# Altium PCB BSU.PcbDoc (part 2 of 3) (continued)
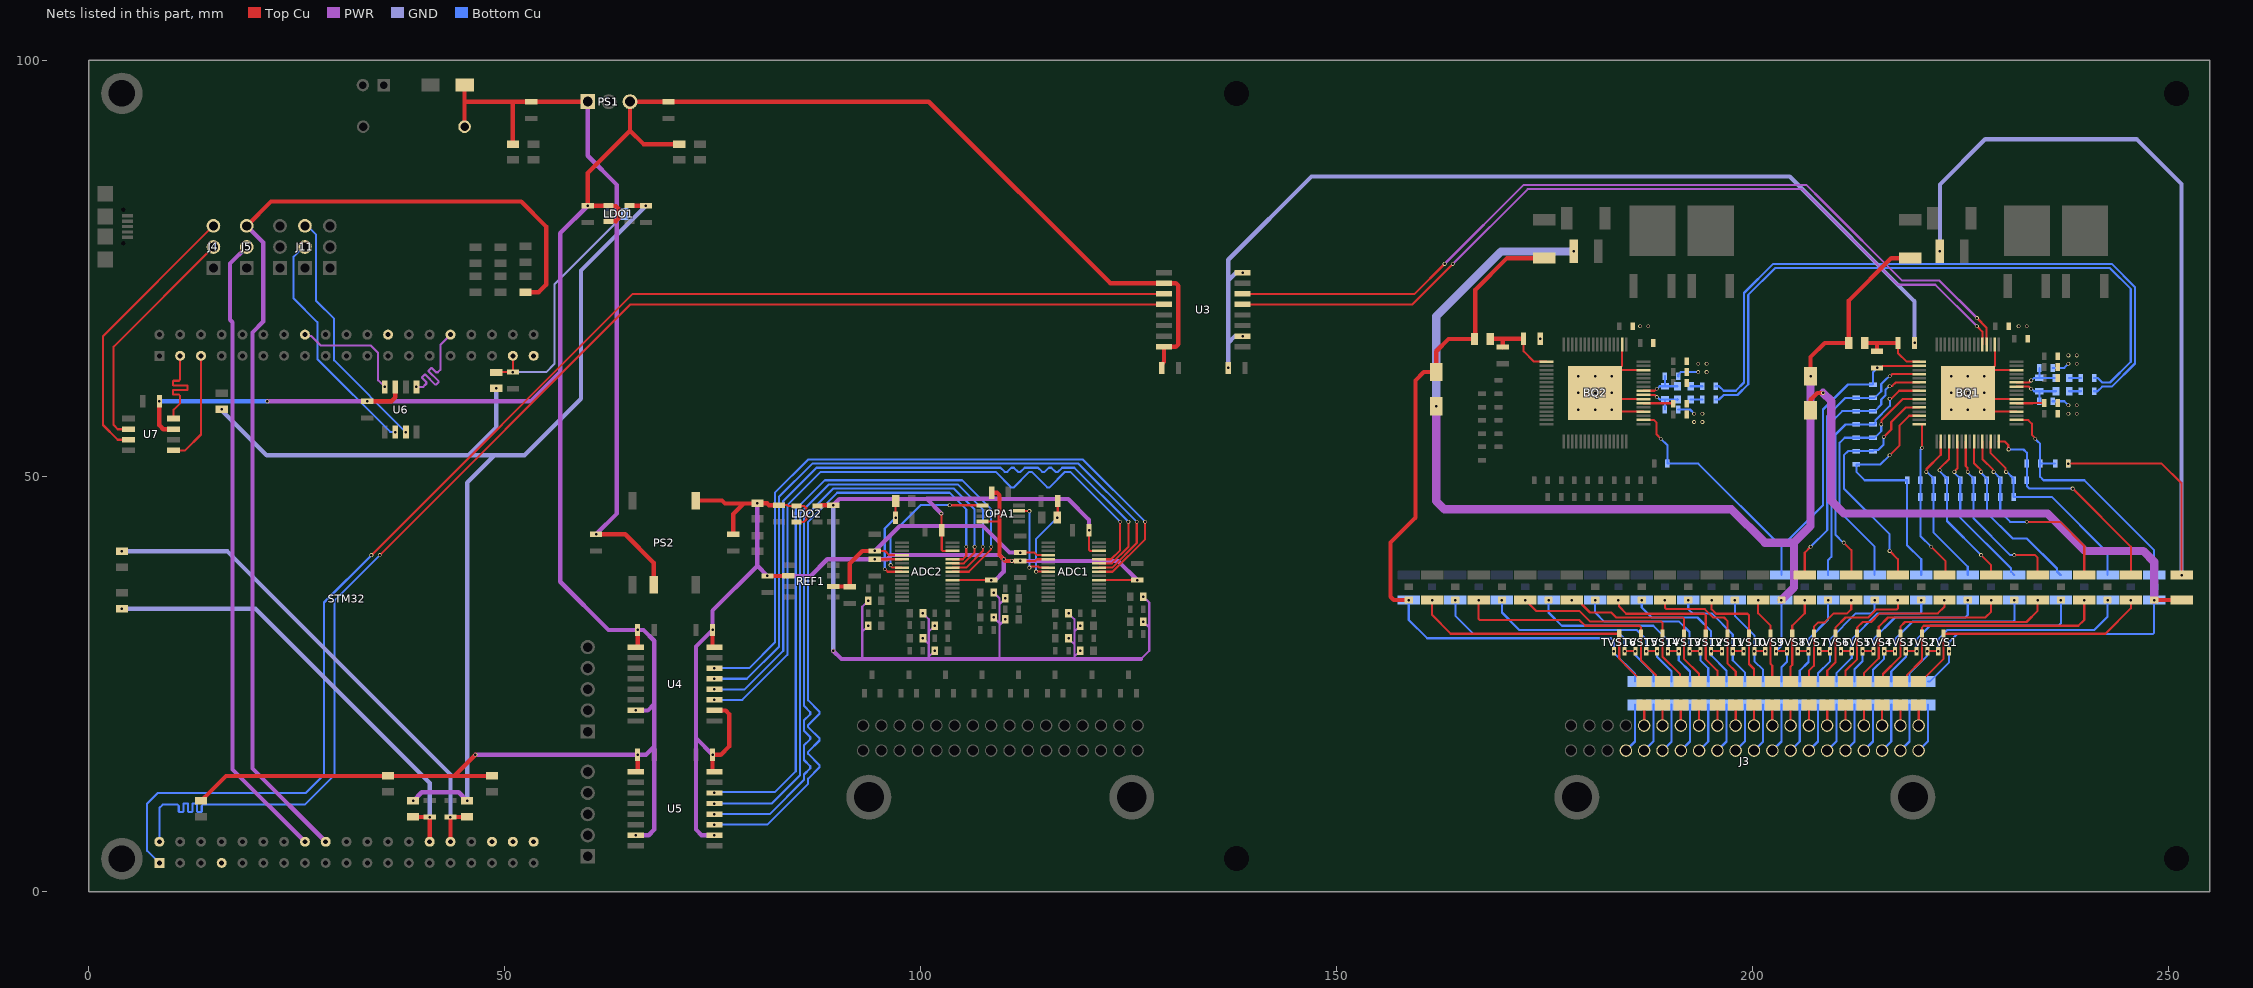
[diagram p4: the nets of this part, all layers, seen from the top]
## Nets (pads, with @x,y where several pads share a name; then routed paths per layer and width w, separated by ;. In a path a pad name is that pad's centre, name@x,y a point inside that pad or via, vN(x,y) a via of type N, cw(c..) or ccw(c..) an arc to the next point about the centre after c; other vN are vias at no path point) (continued)
ADC_CH0: C62.2 NTC1.2 R29.1 STM32.33 | length 54.8
  Top Cu w0.512: R29.1@39,9.05 39.025,9.025 40.975,9.025 v1(41,9) STM32.33@41,6.04
  GND w0.512: v1(4,34.05) 20.05,34.05 41,13.1 v1(41,9)
ADC_CH1: C63.2 NTC2.2 R30.1 STM32.34 | length 60.7
  Top Cu w0.512: STM32.34@43.5,6.04 v1(43.5,9) 43.525,9.025 45.475,9.025 R30.1@45.5,9.05
  GND w0.512: v1(4,40.95) 16.686,40.95 43.5,14.136 v1(43.5,9)
ADC_CH2: C64.2 NTC3.2 R31.1 STM32.56 | length 31.1
  Top Cu w0.254: R31.1@49,62.45 49.05,62.5 v1(51,62.5) STM32.56@51,64.46
  GND w0.254: v1(51,62.5) 55,62.5 56,63.5 56,73.05 v1(64.45,81.5) ; STM32.56@51,64.46 STM32.56@51.16,64.46
ADC_CH3: STM32.57
ADC_CH4: STM32.36
ADC_CH5: STM32.69
ADC_CH6: STM32.38
ADC_CH7: STM32.37
ADC_REF: ADC1.4 ADC2.4 C40.2 C41.2 C42.2 REF1.6 | length 35.4
  Top Cu w0.254: v1(94.5,41) 95.738,41 96.238,40.5 ADC2.4@97.762,40.5 ; v1(112,40.8) 113.7,40.8 114,40.5 ADC1.4@115.362,40.5
  Top Cu w0.512: REF1.6@89.524,36.73 89.539,36.715 91.485,36.715 C40.2@91.5,36.7 91.5,39.5 93,41 v1(94.5,41)
  PWR w0.512: v1(94.5,41) 97.5,44 107.5,44 110.7,40.8 v1(112,40.8)
AVDD1: BQ1.38 C13.2 | length 3.4
  Top Cu w0.254: BQ1.38@231.738,58.75 233.666,58.75 233.716,58.8 C13.2@235.1,58.8
AVDD2: BQ2.38 C14.2 | length 3.6
  Top Cu w0.254: BQ2.38@186.938,58.75 190.45,58.75 C14.2@190.5,58.7
BAT16: BQ1.1 C132.2 C134.2 R100.2 | length 9.2
  Top Cu w0.254: C134.2@217.5,66 217.5,64.8 218.55,63.75 BQ1.1@220.062,63.75
  Top Cu w0.512: R100.2@213.5,66 214.9,66 ; C132.2@215,65 215,65.9 214.9,66 ; C134.2@217.5,66 214.9,66
BAT32: BQ2.1 C131.2 C133.2 R99.2 | length 9.8
  Top Cu w0.254: C133.2@172.5,66.5 172.5,65 173.75,63.75 BQ2.1@175.262,63.75
  Top Cu w0.512: R99.2@168.5,66.5 170,66.5 ; C131.2@170,65.5 170,66.5 ; C133.2@172.5,66.5 170,66.5
BAT_GND: C1.2 C81.2 C114.1 R48.1 | length 114.2
  Top Cu w0.254: v1(238,51.5) 249.2,51.5 251.6,49.1 v1(251.6,38.1)
  GND w0.512: v1(222.55,77) 222.55,85.05 228,90.5 246.2,90.5 251.6,85.1 v1(251.6,38.1)
BOOT0: STM32.4
BQ1_DAISY_N: BQ1.42 C136.2 R101.2 R102.2 | length 6.2
  Top Cu w0.254: BQ1.42@231.738,60.75 233.25,60.75 v1(233.5,60.5)
  Bottom Cu w0.254: v1(233.5,60.5) 233.573,60.5 233.873,60.2 R101.2@234.5,60.2 ; C136.2@234.5,59 R101.2@234.5,60.2 ; R102.2@236.5,60.2 R101.2@234.5,60.2
BQ1_DAISY_P: BQ1.43 C135.2 R101.1 R103.2 | length 6.2
  Top Cu w0.254: BQ1.43@231.738,61.25 233.25,61.25 v1(233.5,61.5)
  Bottom Cu w0.254: v1(233.5,61.5) 233.573,61.5 233.873,61.8 R101.1@234.5,61.8 ; C135.2@234.5,63 R101.1@234.5,61.8 ; R103.2@236.5,61.8 R101.1@234.5,61.8
BQ1_GND: BQ1.36 BQ1.39 BQ1.46 BQ1.50 BQ1.65 C3.2 C5.2 C7.1 C9.2 C11.1 C13.1 C15.1 C26.1 C134.1 C135.1 C136.1 U3.2 U3.8 | length 136
  Top Cu w0.254: v1(219.5,66) C134.1@219.642,65.858 ; v1(225.9,60) BQ1.65@226.65,59.25 ; v1(227.9,58) 228.15,57.75 BQ1.36@231.738,57.75 ; v1(227.9,60) 228.65,59.25 BQ1.39@231.738,59.25 ; v1(227.9,62) BQ1.65@228.65,62.75 ; BQ1.50@229.15,65.838 229.15,63.25 BQ1.65@228.65,62.75 ; BQ1.46@231.738,62.75 BQ1.65@228.65,62.75
  GND w0.512: v1(137,63) 137,66.004 ; v1(138.725,66.825) 137.821,66.825 137,66.004 ; v1(138.725,74.445) 137.945,74.445 137,73.5 ; v1(219.5,66) 219.5,71 204.5,86 147,86 137,76 137,73.5 ; 137,66.004 137,73.5
  Bottom Cu w0.254: C136.1@236.1,59 237.5,59 v1(238,58.5) ; C135.1@236.1,63 237.5,63 v1(238,63.5)
  other v1: 238,57.5 239,57.5 223.9,58 225.9,58 239,58.5 223.9,60 223.9,62 225.9,62 239,63.5 238,64.5 239,64.5 232,68 233,68
BQ1_S_N: C137.2 R102.1 | length 1.4
  Bottom Cu w0.254: R102.1@238.1,60.2 C137.2@239.5,60.2
BQ1_S_P: C138.2 R103.1 | length 1.4
  Bottom Cu w0.254: R103.1@238.1,61.8 C138.2@239.5,61.8
BQ2_DAISY_N: BQ2.41 C141.2 R104.2 R106.1 | length 5.5
  Top Cu w0.254: BQ2.41@186.938,60.25 188.25,60.25 v1(188.5,60.5)
  Bottom Cu w0.254: v1(188.5,60.5) 188.573,60.5 188.873,60.8 R106.1@189.5,60.8 ; C141.2@189.5,62 R106.1@189.5,60.8 ; R104.2@191,60.8 R106.1@189.5,60.8
BQ2_DAISY_P: BQ2.40 C142.2 R105.2 R106.2 | length 5.5
  Top Cu w0.254: BQ2.40@186.938,59.75 188.25,59.75 v1(188.5,59.5)
  Bottom Cu w0.254: v1(188.5,59.5) 188.573,59.5 188.873,59.2 R106.2@189.5,59.2 ; C142.2@189.5,58 R106.2@189.5,59.2 ; R105.2@191,59.2 190.127,59.2 R106.2@189.5,59.2
BQ2_GND: BQ2.36 BQ2.39 BQ2.46 BQ2.50 BQ2.65 C4.2 C6.2 C8.1 C10.2 C12.1 C14.1 C16.1 C133.1 C141.1 C142.1 | length 27
  Top Cu w0.254: BQ2.50@184.35,65.838 184.35,63.25 BQ2.65@183.85,62.75 ; BQ2.36@186.938,57.75 183.35,57.75 v1(183.1,58) BQ2.65@181.85,59.25 ; BQ2.39@186.938,59.25 BQ2.65@181.85,59.25 ; BQ2.46@186.938,62.75 BQ2.65@183.85,62.75 ; BQ2.65@181.85,59.25 v1(181.1,60) BQ2.65@183.85,62.75
  Bottom Cu w0.254: C142.1@191.1,58 192.5,58 v1(193,57.5) ; C141.1@191.1,62 191.1,62.2 191.4,62.5 v1(193.5,62.5)
  other v1: 193,56.5 194,56.5 194,57.5 179.1,58 181.1,58 179.1,60 183.1,60 179.1,62 181.1,62 183.1,62 194.5,62.5 193.5,63.5 194.5,63.5 174.5,66.5 186.5,68 187.5,68
BQ2_S_N: C139.2 R104.1 | length 1.4
  Bottom Cu w0.254: R104.1@192.6,60.8 C139.2@194,60.8
BQ2_S_P: C140.2 R105.1 | length 1.4
  Bottom Cu w0.254: R105.1@192.6,59.2 C140.2@194,59.2
BQ796XX_RX: STM32.20 U3.12 | length 167.5
  Top Cu w0.254: v1(35,40.5) 65.135,70.635 U3.12@129.275,70.635
  Bottom Cu w0.254: STM32.20@8.5,6.04 8.5,10.1 8.9,10.5 10,10.5 10.681,10.5 10.83,10.351 10.83,9.689 10.885,9.634 11.328,9.634 11.384,9.689 11.384,10.601 11.439,10.656 11.882,10.656 11.938,10.601 11.938,9.689 11.993,9.634 12.436,9.634 12.492,9.689 12.492,10.601 12.547,10.656 12.99,10.656 13.046,10.601 13.046,9.689 13.101,9.634 13.544,9.634 13.6,9.689 13.6,10.351 13.749,10.5 14.196,10.5 25.97,10.5 29.57,14.1 29.57,35.07 v1(35,40.5)
BQ796XX_RX_HV: BQ1.53 U3.5 | length 103.1
  Top Cu w0.254: U3.5@138.881,70.63 159.13,70.63 v1(164,75.5) ; v1(227,68) 227.65,67.35 BQ1.53@227.65,65.838
  PWR w0.254: v1(164,75.5) 173,84.5 206,84.5 217.5,73 222,73 v1(227,68)
BQ796XX_TX: STM32.1 U3.11 | length 167.5
  Top Cu w0.254: v1(34,40.5) 65.405,71.905 U3.11@129.275,71.905
  Bottom Cu w0.254: STM32.1@8.5,3.5 7.038,4.962 7.038,10.638 8.3,11.9 26.1,11.9 28.3,14.1 28.3,34.8 v1(34,40.5)
BQ796XX_TX_HV: BQ1.52 U3.6 | length 103.8
  Top Cu w0.254: U3.6@138.881,71.9 159.4,71.9 v1(163,75.5) ; v1(227,69) 228.15,67.85 BQ1.52@228.15,65.838
  PWR w0.254: v1(163,75.5) 172.5,85 206.5,85 208.5,83 218,73.5 222.5,73.5 v1(227,69)
BQ_ISO_N: C137.1 C139.1 | length 79.9
  Bottom Cu w0.254: C139.1@195.6,60.8 195.997,60.8 196.543,60.254 198,60.254 199,61.254 199,72 202.508,75.508 243.21,75.508 246,72.718 246,63.536 243.21,60.746 242.043,60.746 241.497,60.2 C137.1@241.1,60.2
BQ_ISO_P: C138.1 C140.1 | length 78.2
  Bottom Cu w0.254: C140.1@195.6,59.2 195.997,59.2 196.543,59.746 198.21,59.746 199.508,61.044 199.508,71.79 202.718,75 243,75 245.492,72.508 245.492,63.746 243,61.254 242.043,61.254 241.497,61.8 C138.1@241.1,61.8
BT0: F1.1 J3.21 | length 6
  Bottom Cu w0.254: J3.21@220,17 221.1,18.1 F1.1@221.1,22.505
BT0_F: F1.2 R48.2 R49.1 R82.1 TVS1.2 TVS17.2 | length 101.3
  Top Cu w0.254: TVS17.2@207,57.9 TVS17.2@207.032,57.932
  Top Cu w0.512: TVS17.2@207.032,57.932 207.032,59.232 207.8,60 v1(208.5,60) ; v1(248.3,35.1) R48.2@251.6,35.1
  PWR w1: v1(208.5,60) 209.5,59 209.5,47 211,45.5 235.5,45.5 240,41 247,41 248.3,39.7 v1(248.3,35.1)
  Bottom Cu w0.254: F1.2@221.1,25.29 221.34,25.29 223.65,27.6 v1(223.65,28.95) 223.65,30.05 224.6,31 248.151,31 248.3,31.149 v1(248.3,35.1)
BT1: F2.1 J3.1 | length 2.5
  Top Cu w0.254: J3.1@220,20 F2.1@220,22.505
BT1_F: F2.2 R50.1 R83.1 TVS1.3 | length 31.9
  Top Cu w0.254: F2.2@220,25.29 220.24,25.29 223,28.05 TVS1.3@223,31.05 242.45,31.05 245.5,34.1 v1(245.5,35.1)
BT2: F3.1 J3.22 | length 6
  Bottom Cu w0.254: J3.22@217.8,17 218.9,18.1 F3.1@218.9,22.505
BT2_F: F3.2 R51.1 R84.1 TVS1.1 TVS2.2 | length 30.8
  Top Cu w0.254: v1(221.05,28.95) v1(222.35,28.95)
  Bottom Cu w0.254: F3.2@218.9,25.295 218.9,26.3 221.009,28.409 221.009,28.909 v1(221.05,28.95) ; v1(222.35,28.95) 222.35,30.4 223.45,31.5 241.1,31.5 242.7,33.1 v1(242.7,35.1)
BT3: F4.1 J3.2 | length 2.5
  Top Cu w0.254: J3.2@217.8,20 F4.1@217.8,22.505
BT3_F: F4.2 R52.1 R85.1 TVS2.3 | length 29.8
  Top Cu w0.254: F4.2@218.04,25.29 218.573,25.823 218.573,26.063 220.4,27.89 TVS2.3@220.4,31.05 220.407,31.057 220.407,31.807 220.6,32 239.2,32 239.9,32.7 v1(239.9,35.1)
BT4: F5.1 J3.23 | length 6
  Bottom Cu w0.254: J3.23@215.6,17 216.7,18.1 F5.1@216.7,22.505
BT4_F: F5.2 R53.1 R86.1 TVS2.1 TVS3.2 | length 28.1
  Top Cu w0.254: v1(218.45,28.95) v1(219.75,28.95)
  Bottom Cu w0.254: F5.2@216.7,25.295 216.7,26.5 218.45,28.25 v1(218.45,28.95) ; v1(219.75,28.95) 219.75,30.4 221.35,32 236.8,32 237.1,32.3 v1(237.1,35.1)
BT5: F6.1 J3.3 | length 2.5
  Top Cu w0.254: J3.3@215.6,20 F6.1@215.6,22.505
BT5_F: F6.2 R54.1 R87.1 TVS3.3 | length 26.1
  Top Cu w0.254: F6.2@215.6,25.295 215.7,25.395 215.7,26.2 217.8,28.3 TVS3.3@217.8,31.05 217.8,31.9 218.354,32.454 232.954,32.454 234.3,33.8 v1(234.3,35.1)
BT6: F7.1 J3.24 | length 6
  Bottom Cu w0.254: J3.24@213.4,17 214.5,18.1 F7.1@214.5,22.505
BT6_F: F7.2 R55.1 R88.1 TVS3.1 TVS4.2 | length 24.7
  Top Cu w0.254: v1(215.85,28.95) v1(217.15,28.95)
  Bottom Cu w0.254: F7.2@214.5,25.295 214.5,26.7 215.85,28.05 v1(215.85,28.95) ; v1(217.15,28.95) 217.15,30.4 219.25,32.5 231.351,32.5 231.5,32.649 v1(231.5,35.1)
BT7: F8.1 J3.4 | length 2.5
  Top Cu w0.254: J3.4@213.4,20 F8.1@213.4,22.505
BT7_F: F8.2 R56.1 R89.1 TVS4.3 | length 23
  Top Cu w0.254: F8.2@213.4,25.29 F8.2@213.4,25.295 213.4,26.3 215.2,28.1 TVS4.3@215.2,31.05 215.2,31.9 216.3,33 228,33 228.7,33.7 v1(228.7,35.1)
BT8: F9.1 J3.25 | length 6
  Bottom Cu w0.254: J3.25@211.2,17 212.3,18.1 F9.1@212.3,22.505
BT8_F: F9.2 R57.1 R90.1 TVS4.1 TVS5.2 | length 21.1
  Top Cu w0.254: v1(213.25,28.95) v1(214.55,28.95)
  Bottom Cu w0.254: F9.2@212.3,25.295 212.3,26.8 213.25,27.75 v1(213.25,28.95) ; v1(214.55,28.95) 214.55,30.4 217.15,33 225.6,33 225.9,33.3 v1(225.9,35.1)
BT9: F10.1 J3.5 | length 2.5
  Top Cu w0.254: J3.5@211.2,20 F10.1@211.2,22.505
BT9_F: F10.2 R58.1 R91.1 TVS5.3 | length 19.4
  Top Cu w0.254: F10.2@211.2,25.29 F10.2@211.2,25.295 211.2,26.6 212.6,28 TVS5.3@212.6,31.05 212.607,31.057 212.607,31.807 213.262,32.462 214.262,32.462 215.299,33.499 222.299,33.499 223.1,34.3 v1(223.1,35.1)
BT10: F11.1 J3.26 | length 6
  Bottom Cu w0.254: J3.26@209,17 210.1,18.1 F11.1@210.1,22.505
BT10_F: F11.2 R59.1 R92.1 TVS5.1 TVS6.2 | length 18.3
  Top Cu w0.254: v1(210.65,28.95) v1(211.95,28.95)
  Bottom Cu w0.254: F11.2@210.1,25.295 210.1,26.3 211.95,28.15 v1(211.95,28.95) 211.95,30.4 215.05,33.5 220.151,33.5 220.3,33.649 v1(220.3,35.1)
BT11: F12.1 J3.6 | length 2.5
  Top Cu w0.254: J3.6@209,20 F12.1@209,22.505
BT11_F: F12.2 R60.1 R93.1 TVS6.3 | length 16.4
  Top Cu w0.254: F12.2@209,25.29 F12.2@209,25.295 209,26.6 210,27.6 TVS6.3@210,31.05 210.007,31.057 210.007,31.807 211.2,33 213.947,33 214.9,33.953 217.351,33.953 217.5,34.101 v1(217.5,35.1)
BT12: F13.1 J3.27 | length 6
  Bottom Cu w0.254: J3.27@206.8,17 207.9,18.1 F13.1@207.9,22.505
BT12_F: F13.2 R61.1 R94.1 TVS6.1 TVS7.2 | length 15
  Top Cu w0.254: v1(208.05,28.95) v1(209.35,28.95)
  Bottom Cu w0.254: F13.2@207.9,25.295 207.9,26.3 209.35,27.75 v1(209.35,28.95) 209.35,30.4 212.45,33.5 214.3,33.5 214.7,33.9 v1(214.7,35.1)
BT13: F14.1 J3.7 | length 2.5
  Top Cu w0.254: J3.7@206.8,20 F14.1@206.8,22.505
BT13_F: F14.2 R62.1 R95.1 TVS7.3 | length 13.3
  Top Cu w0.254: F14.2@206.8,25.29 F14.2@206.8,25.295 206.8,26.6 207.4,27.2 TVS7.3@207.4,31.05 207.4,31.9 207.917,32.417 208.717,32.417 209.8,33.5 211.4,33.5 211.894,33.994 R95.1@211.894,35.094
  other v1: 211.9,35.1
BT14: F15.1 J3.28 | length 6
  Bottom Cu w0.254: J3.28@204.6,17 205.7,18.1 F15.1@205.7,22.505
BT14_F: F15.2 R63.1 R96.1 TVS7.1 TVS8.2 | length 12.5
  Top Cu w0.254: v1(205.45,28.95) v1(206.75,28.95)
  Bottom Cu w0.254: F15.2@205.7,25.295 205.7,26.6 206.75,27.65 v1(206.75,28.95) 206.75,30.4 209.1,32.75 v1(209.1,35.1)
BT15: F16.1 J3.8 | length 2.5
  Top Cu w0.254: J3.8@204.6,20 F16.1@204.6,22.505
BT15_F: F16.2 R64.1 R97.1 TVS8.3 | length 10.5
  Top Cu w0.254: F16.2@204.6,25.29 F16.2@204.6,25.295 204.6,27.1 204.8,27.3 TVS8.3@204.8,31.05 204.8,32 206.3,33.5 v1(206.3,35.1)
BT16: F17.1 J3.29 | length 6
  Bottom Cu w0.254: J3.29@202.4,17 203.5,18.1 F17.1@203.5,22.505
BT16_F: C2.2 F17.2 R2.2 R65.1 R98.1 R100.1 TVS8.1 TVS9.2 TVS17.1 TVS18.2 | length 149.3
  Top Cu w0.254: v1(202.85,28.95) v1(204.15,28.95)
  Top Cu w0.512: v1(207,62) 207,64.3 208.7,66 R100.1@211.6,66 211.6,71.1 216.7,76.2 R2.2@219,76.2
  PWR w1: v1(162,58.4) 162,47 163,46 197.5,46 201.5,42 205,42 ; v1(203.5,35.1) 205,36.6 205,42 ; v1(207,62) 207,44 205,42
  GND w1: v1(162,58.4) 162,69.206 169.794,77 v1(178.55,77)
  Bottom Cu w0.254: v1(202.85,28.95) 203.5,29.6 v1(203.5,35.1) ; F17.2@203.5,25.295 203.5,27 204.15,27.65 v1(204.15,28.95)
BT17: F18.1 J3.9 | length 2.5
  Top Cu w0.254: J3.9@202.4,20 F18.1@202.4,22.505
BT17_F: F18.2 R32.1 R66.1 TVS9.3 | length 10.5
  Top Cu w0.254: v1(200.7,35.1) 200.7,33.5 202.2,32 TVS9.3@202.2,31.05 202.2,27.4 202.4,27.2 F18.2@202.4,25.295 F18.2@202.4,25.29
BT18: F19.1 J3.30 | length 6
  Bottom Cu w0.254: J3.30@200.2,17 201.3,18.1 F19.1@201.3,22.505
BT18_F: F19.2 R33.1 R67.1 TVS9.1 TVS10.2 | length 12.5
  Top Cu w0.254: v1(200.25,28.95) v1(201.55,28.95)
  Bottom Cu w0.254: v1(197.9,35.1) 197.9,33.2 200.25,30.85 v1(200.25,28.95) 200.25,27.75 201.3,26.7 F19.2@201.3,25.295
BT19: F20.1 J3.10 | length 2.5
  Top Cu w0.254: J3.10@200.2,20 F20.1@200.2,22.505
BT19_F: F20.2 R34.1 R68.1 TVS10.3 | length 14.1
  Top Cu w0.254: v1(195.1,35.1) 195.1,33.984 195.63,33.454 199.42,33.454 199.6,33.274 TVS10.3@199.6,31.05 199.6,27.4 200.2,26.8 F20.2@200.2,25.295
BT20: F21.1 J3.31 | length 6
  Bottom Cu w0.254: J3.31@198,17 199.1,18.1 F21.1@199.1,22.505
BT20_F: F21.2 R35.1 R69.1 TVS10.1 TVS11.2 | length 15.3
  Top Cu w0.254: v1(197.65,28.95) v1(198.95,28.95)
  Bottom Cu w0.254: v1(192.3,35.1) 192.3,34 192.8,33.5 195.1,33.5 197.65,30.95 v1(197.65,28.95) 197.65,27.85 199.1,26.4 F21.2@199.1,25.295
BT21: F22.1 J3.11 | length 2.5
  Top Cu w0.254: J3.11@198,20 F22.1@198,22.505
BT21_F: F22.2 R36.1 R70.1 TVS11.3 | length 16.8
  Top Cu w0.254: v1(189.5,35.1) 189.5,34.149 189.649,34 194.3,34 195.3,33 196.6,33 197,32.6 TVS11.3@197,31.05 197,27.5 198,26.5 F22.2@198,25.295
BT22: F23.1 J3.32 | length 6
  Bottom Cu w0.254: J3.32@195.8,17 196.9,18.1 F23.1@196.9,22.505
BT22_F: F23.2 R37.1 R71.1 TVS11.1 TVS12.2 | length 18.6
  Top Cu w0.254: v1(195.05,28.95) v1(196.35,28.95)
  Bottom Cu w0.254: v1(186.7,35.1) 186.7,34.2 187.9,33 193.4,33 195.05,31.35 v1(195.05,28.95) 195.05,28.45 196.9,26.6 F23.2@196.9,25.295
BT23: F24.1 J3.12 | length 2.5
  Top Cu w0.254: J3.12@195.8,20 F24.1@195.8,22.505
BT23_F: F24.2 R38.1 R72.1 TVS12.3 | length 20.2
  Top Cu w0.254: v1(183.9,35.1) 183.982,35.018 183.982,34.318 184.846,33.454 194.197,33.454 194.4,33.251 TVS12.3@194.4,31.05 194.4,28 195.8,26.6 F24.2@195.8,25.295 F24.2@195.8,25.29
BT24: F25.1 J3.33 | length 6
  Bottom Cu w0.254: J3.33@193.6,17 194.7,18.1 F25.1@194.7,22.505
BT24_F: F25.2 R39.1 R73.1 TVS12.1 TVS13.2 | length 21.5
  Top Cu w0.254: v1(192.45,28.95) v1(193.75,28.95)
  Bottom Cu w0.254: v1(181.1,35.1) 181.1,33.6 182.2,32.5 191.2,32.5 192.45,31.25 v1(192.45,28.95) ; v1(193.75,28.95) 193.75,27.85 194.7,26.9 F25.2@194.7,25.295 F25.2@194.7,25.29
BT25: F26.1 J3.13 | length 2.5
  Top Cu w0.254: J3.13@193.6,20 F26.1@193.6,22.505
BT25_F: F26.2 R40.1 R74.1 TVS13.3 | length 22.8
  Top Cu w0.254: v1(178.3,35.1) 179.1,35.1 179.523,34.677 179.523,34.563 180.486,33.6 183.038,33.6 183.638,33 191.651,33 191.8,32.851 TVS13.3@191.8,31.05 191.8,28 193.6,26.2 F26.2@193.6,25.295 F26.2@193.6,25.29
BT26: F27.1 J3.34 | length 6
  Bottom Cu w0.254: J3.34@191.4,17 192.5,18.1 F27.1@192.5,22.505
BT26_F: F27.2 R41.1 R75.1 TVS13.1 TVS14.2 | length 24.1
  Top Cu w0.254: v1(189.85,28.95) v1(191.15,28.95)
  Bottom Cu w0.254: v1(175.5,35.1) 175.5,33.6 177.1,32 188.1,32 189.85,30.25 v1(189.85,28.95) ; v1(191.15,28.95) 191.15,27.85 192.5,26.5 F27.2@192.5,25.295 F27.2@192.5,25.29
BT27: F28.1 J3.14 | length 2.5
  Top Cu w0.254: J3.14@191.4,20 F28.1@191.4,22.505
BT27_F: F28.2 R42.1 R76.1 TVS14.3 | length 25.6
  Top Cu w0.254: v1(172.7,35.1) 174,33.8 179.2,33.8 180.5,32.5 189.051,32.5 189.2,32.351 TVS14.3@189.2,31.05 189.2,28.3 191.313,26.187 191.313,25.382 F28.2@191.4,25.295
BT28: F29.1 J3.35 | length 6
  Bottom Cu w0.254: J3.35@189.2,17 190.3,18.1 F29.1@190.3,22.505
BT28_F: F29.2 R43.1 R77.1 TVS14.1 TVS15.2 | length 27.3
  Top Cu w0.254: v1(187.25,28.95) v1(188.55,28.95)
  Bottom Cu w0.254: v1(169.9,35.1) 169.9,33.6 172,31.5 186.1,31.5 187.25,30.35 v1(187.25,28.95) ; v1(188.55,28.95) 188.55,28.25 190.3,26.5 F29.2@190.3,25.295
BT29: F30.1 J3.15 | length 2.5
  Top Cu w0.254: J3.15@189.2,20 F30.1@189.2,22.505
BT29_F: F30.2 R44.1 R78.1 TVS15.3 | length 29.9
  Top Cu w0.254: v1(167.1,35.1) 167.1,32.849 167.249,32.7 179.2,32.7 179.9,32 186.451,32 186.6,31.851 TVS15.3@186.6,31.05 186.6,27.89 188.427,26.063 188.427,25.823 188.96,25.29 F30.2@189.2,25.29
BT30: F31.1 J3.36 | length 6
  Bottom Cu w0.254: J3.36@187,17 188.1,18.1 F31.1@188.1,22.505
BT30_F: F31.2 R45.1 R79.1 TVS15.1 TVS16.2 | length 30.7
  Top Cu w0.254: v1(184.65,28.95) v1(185.95,28.95)
  Bottom Cu w0.254: v1(164.3,35.1) 164.3,33.2 166.5,31 184.1,31 184.65,30.45 v1(184.65,28.95) ; v1(185.95,28.95) 185.95,28.45 188.1,26.3 F31.2@188.1,25.295 F31.2@188.1,25.29
BT31: F32.1 J3.16 | length 2.5
  Top Cu w0.254: J3.16@187,20 F32.1@187,22.505
BT31_F: F32.2 R46.1 R80.1 TVS16.3 | length 32.4
  Top Cu w0.254: v1(161.5,35.1) 161.5,33.3 163.75,31.05 TVS16.3@184,31.05 184,28.05 186.76,25.29 F32.2@187,25.29
BT32: F33.1 J3.37 | length 6
  Bottom Cu w0.254: J3.37@184.8,17 185.9,18.1 F33.1@185.9,22.505
BT32_F: F33.2 R4.2 R47.1 R81.1 R99.1 TVS16.1 TVS18.1 | length 90
  Top Cu w0.512: v1(158.7,35.1) 156.9,35.1 156.5,35.5 156.5,42 159.5,45 159.5,61.5 160.5,62.5 TVS18.1@162,62.5 162,65 163.482,66.482 166.406,66.482 166.7,66.776 166.7,72.4 170.5,76.2 R4.2@175,76.2
  Bottom Cu w0.254: v1(158.7,35.1) 158.7,32.7 160.9,30.5 183,30.5 183.35,30.15 v1(183.35,28.95) 183.388,28.912 183.388,28.713 185.9,26.2 F33.2@185.9,25.295 F33.2@185.9,25.29
CAN_DBG_H: J11.1 U6.7 | length 30
  Bottom Cu w0.254: J11.1@26,80.08 26.261,80.08 27.35,78.991 27.35,77.162 27.35,71.052 29.506,68.897 29.506,63.904 v1(38.135,55.275)
CAN_DBG_L: J11.2 U6.6 | length 28.3
  Bottom Cu w0.254: J11.2@26,77.54 25.812,77.54 24.65,76.378 24.65,71.35 27.5,68.5 27.5,64.073 36.26,55.313 36.827,55.313 v1(36.865,55.275)
CAN_DBG_RX: STM32.65 U6.4 | length 14.1
  Top Cu w0.254: STM32.65@26,67 STM32.65@26.14,66.86
  PWR w0.254: STM32.65@26.14,66.86 26.74,66.86 27.9,65.7 33.9,65.7 34.801,64.799 34.801,61.519 v1(35.595,60.725)
CAN_DBG_TX: STM32.72 U6.1 | length 13.6
  PWR w0.254: v1(39.405,60.725) 40.225,60.725 40.5,61 40.59,61.09 40.59,61.3 40.079,61.811 40.079,61.889 40.393,62.202 40.471,62.202 41.681,60.992 41.76,60.992 42.073,61.306 42.073,61.384 40.864,62.593 40.864,62.671 41.178,62.984 41.256,62.984 41.765,62.475 41.975,62.475 42.266,62.766 42.3,62.8 42.3,65.8 STM32.72@43.5,67
CAN_IBUS_H: J4.1 U7.7 | length 33.2
  Top Cu w0.254: U7.7@4.775,54.365 3.5,54.365 1.73,56.135 1.73,66.81 J4.1@15,80.08
CAN_IBUS_L: J4.2 U7.6 | length 28.4
  Top Cu w0.254: U7.6@4.775,55.635 3.5,55.635 3,56.135 3,65.54 J4.2@15,77.54
CAN_IBUS_RX: STM32.40 U7.4 | length 12.8
  Top Cu w0.254: U7.4@10.225,56.905 10.225,57.98 11,58.755 11,59.516 11,59.643 10.851,59.792 10.192,59.792 10.137,59.847 10.137,60.29 10.192,60.346 11.85,60.346 11.905,60.401 11.905,60.844 11.85,60.9 10.192,60.9 10.137,60.955 10.137,61.398 10.192,61.454 10.851,61.454 11,61.602 11,62.026 STM32.40@11,64.46
CAN_IBUS_TX: STM32.41 U7.1 | length 13.5
  Top Cu w0.254: U7.1@10.225,53.095 11.595,53.095 13.5,55 STM32.41@13.5,64.46
CB0: BQ1.34 C114.2 C115.1 R82.2 | length 31.1
  Top Cu w0.254: BQ1.34@231.604,56.727 233.173,56.727 233.6,56.3 233.6,54.967 234,54.567 v1(234,54.5)
  Bottom Cu w0.254: v1(234,54.5) 234,54.49 234.407,54.082 234.418,54.082 234.6,53.9 C115.1@234.6,51.5 ; C114.2@236.4,51.5 C115.1@234.6,51.5 ; R82.2@248.3,38.1 248.3,41.1 239.9,49.5 235,49.5 234.6,49.9 C115.1@234.6,51.5
CB1: BQ1.32 C115.2 C116.1 R83.2 | length 27.2
  Top Cu w0.254: BQ1.32@229.627,54.162 BQ1.32@229.65,54.162 230.338,54.162 230.762,53.738 230.762,53.238 v1(230.8,53.2) ; v1(238.5,48.5) 245.5,41.5 R83.2@245.5,38.1
  Bottom Cu w0.254: v1(230.8,53.2) 232.6,53.2 233,52.8 C115.2@233,51.5 C116.1@233,49.5 233,48.8 233.3,48.5 v1(238.5,48.5)
CB2: BQ1.30 C116.2 C117.1 R84.2 | length 24.6
  Top Cu w0.254: BQ1.30@228.65,54.162 228.65,52.75 230.453,50.947 230.453,50.547 v1(230.5,50.5)
  Bottom Cu w0.254: v1(230.5,50.5) 230.547,50.453 230.647,50.453 231.4,49.7 C117.1@231.4,47.5 236,47.5 242.7,40.8 R84.2@242.7,38.1
CB3: BQ1.28 C117.2 C118.1 R85.2 | length 24.7
  Top Cu w0.254: BQ1.28@227.65,54.162 227.65,52.05 228.953,50.747 228.953,50.547 v1(229,50.5) ; v1(233,44.5) 237,44.5 239.9,41.6 R85.2@239.9,38.1
  Bottom Cu w0.254: v1(229,50.5) 229.8,49.7 C118.1@229.8,49.5 C117.2@229.8,47.5 229.8,45.7 231,44.5 v1(233,44.5)
CB4: BQ1.26 C118.2 C119.1 R86.2 | length 21.4
  Top Cu w0.254: BQ1.26@226.65,54.162 226.65,51.55 227,51.2 227.453,50.747 227.453,50.547 v1(227.5,50.5)
  Bottom Cu w0.254: v1(227.5,50.5) 227.547,50.453 227.547,50.353 228.2,49.7 C119.1@228.2,47.5 228.2,45.6 231.3,42.5 233,42.5 236.618,38.882 236.618,38.523 237.041,38.1 R86.2@237.1,38.1
CB5: BQ1.24 C119.2 C120.1 R87.2 | length 21.4
  Top Cu w0.254: BQ1.24@225.65,54.162 225.65,51.208 225.853,51.005 225.853,50.547 v1(225.9,50.5) ; v1(231.5,40.5) 234,40.5 234.3,40.2 R87.2@234.3,38.1
  Bottom Cu w0.254: v1(225.9,50.5) 225.947,50.453 225.947,50.353 226.6,49.7 C120.1@226.6,49.5 C119.2@226.6,47.5 226.6,44.9 231,40.5 v1(231.5,40.5)
CB6: BQ1.22 C120.2 C121.1 R88.2 | length 19.2
  Top Cu w0.254: v1(224.3,50.5) 224.3,50.567 224.65,50.917 BQ1.22@224.65,54.162
  Bottom Cu w0.254: v1(224.3,50.5) 224.347,50.453 224.347,50.353 225,49.7 C121.1@225,47.5 225,45 231.118,38.882 231.118,38.482 R88.2@231.5,38.1
CB7: BQ1.20 C121.2 C122.1 R89.2 | length 19.3
  Top Cu w0.254: v1(222.5,50.7) 222.538,50.738 222.538,50.938 223.65,52.05 BQ1.20@223.65,54.162 BQ1.20@223.65,54.387 ; v1(227.5,40.5) 228.7,39.3 R89.2@228.7,38.1
  Bottom Cu w0.254: v1(222.5,50.7) 222.538,50.662 222.538,50.562 223.4,49.7 C122.1@223.4,49.5 C121.2@223.4,47.5 223.4,44.6 v1(227.5,40.5)
CB8: BQ1.18 C122.2 C123.1 R90.2 | length 18.9
  Top Cu w0.254: v1(220.9,50.5) 220.942,50.542 220.942,50.842 222.65,52.55 BQ1.18@222.65,54.162 BQ1.18@222.65,54.186
  Bottom Cu w0.254: v1(220.9,50.5) 220.947,50.453 221.047,50.453 221.8,49.7 C123.1@221.8,47.5 221.8,43.2 225.9,39.1 R90.2@225.9,38.1
CB9: BQ1.16 C123.2 C124.1 R91.2 | length 19.4
  Top Cu w0.254: v1(220.4,53.4) BQ1.16@220.4,56.127 ; v1(221.5,41.5) 223.2,39.8 223.2,38.2 R91.2@223.1,38.1
  Bottom Cu w0.254: v1(220.4,53.4) 220.4,53.347 220.2,53.147 C123.2@220.2,47.5 220.2,42.8 v1(221.5,41.5)
CB10: BQ1.14 C124.2 C125.1 R92.2 | length 30.9
  Top Cu w0.254: v1(216.5,52.5) 217.7,53.7 217.7,56.1 218.85,57.25 BQ1.14@220.062,57.25
  Bottom Cu w0.254: v1(216.5,52.5) 215.4,51.4 C125.1@212.5,51.4 212.5,50.5 213.5,49.5 C124.2@218.6,49.5 218.6,41.7 220.3,40 R92.2@220.3,38.1
CB11: BQ1.12 C125.2 C126.1 R93.2 | length 29.6
  Top Cu w0.254: v1(215.8,54.7) 216.7,55.6 216.7,56.5 218.45,58.25 BQ1.12@220.062,58.25 ; v1(216.5,41) 217.5,40 R93.2@217.5,38.1
  Bottom Cu w0.254: v1(215.8,54.7) 215.769,54.669 215.769,53.769 215.135,53.135 214.635,53.135 C126.1@214.5,53 C125.2@212.5,53 211.5,53 211,52.5 211,48.5 216.5,43 v1(216.5,41)
CB12: BQ1.10 C126.2 C127.1 R94.2 | length 30.1
  Top Cu w0.254: v1(215.5,56.2) 215.547,56.247 215.547,56.747 218.05,59.25 BQ1.10@220.062,59.25
  Bottom Cu w0.254: R94.2@214.7,38.1 214.7,41.5 210.5,45.7 210.5,54 211.1,54.6 C127.1@212.5,54.6 C126.2@214.5,54.6 214.7,54.6 215.5,55.4 v1(215.5,56.2)
CB13: BQ1.8 C127.2 C128.1 R95.2 | length 30.7
  Top Cu w0.254: v1(211,42) 211.9,41.1 R95.2@211.9,38.1 ; v1(216.5,59.3) 216.547,59.347 216.747,59.347 217.65,60.25 BQ1.8@220.062,60.25
  Bottom Cu w0.254: v1(211,42) 210.947,42 210,42.947 210,55 211.2,56.2 C127.2@212.5,56.2 214.642,56.2 214.785,56.343 214.785,56.685 216.538,58.438 216.538,59.262 v1(216.5,59.3)
CB14: BQ1.6 C128.2 C129.1 R96.2 | length 31.9
  Top Cu w0.254: v1(216.5,60.8) 216.538,60.838 216.838,60.838 217.25,61.25 BQ1.6@220.062,61.25
  Bottom Cu w0.254: R96.2@209.1,38.1 209.1,39.9 209.5,40.3 209.5,56.5 210.8,57.8 C129.1@212.5,57.8 C128.2@214.5,57.8 214.7,57.8 215.5,58.6 215.5,59.198 216,59.698 216,60.4 216.047,60.4 216.447,60.8 v1(216.5,60.8)
CB15: BQ1.4 C129.2 C130.1 R97.2 | length 33.9
  Top Cu w0.254: R97.2@206.3,38.1 206.3,40.8 v1(207,41.5) ; v1(216.508,61.992) 216.545,61.992 216.803,62.25 BQ1.4@220.062,62.25
  Bottom Cu w0.254: v1(207,41.5) 209,43.5 209,57.2 211.2,59.4 C129.2@212.5,59.4 C130.1@214.5,59.4 214.7,59.4 215.5,60.2 215.5,61.072 216.031,61.603 216.053,61.603 216.441,61.992 v1(216.508,61.992)
CB16: BQ1.2 BQ2.34 C98.1 C130.2 C132.1 R98.2 | length 61.6
  Top Cu w0.254: BQ2.34@186.938,56.75 188.15,56.75 188.5,56.4 188.5,55 v1(189,54.5) ; v1(215,63) 215.425,63 215.675,63.25 BQ1.2@220.062,63.25
  Bottom Cu w0.254: v1(189,54.5) 189.8,53.7 C98.1@189.8,51.5 193.5,51.5 203.5,41.5 ; R98.2@203.5,38.1 203.5,41.5 ; v1(215,63) 214.5,62.5 C130.2@214.5,61 211.5,61 208.5,58 208.5,46.5 203.5,41.5